# Altium PCB PCB1.PcbDoc (part 2 of 2) (continued)
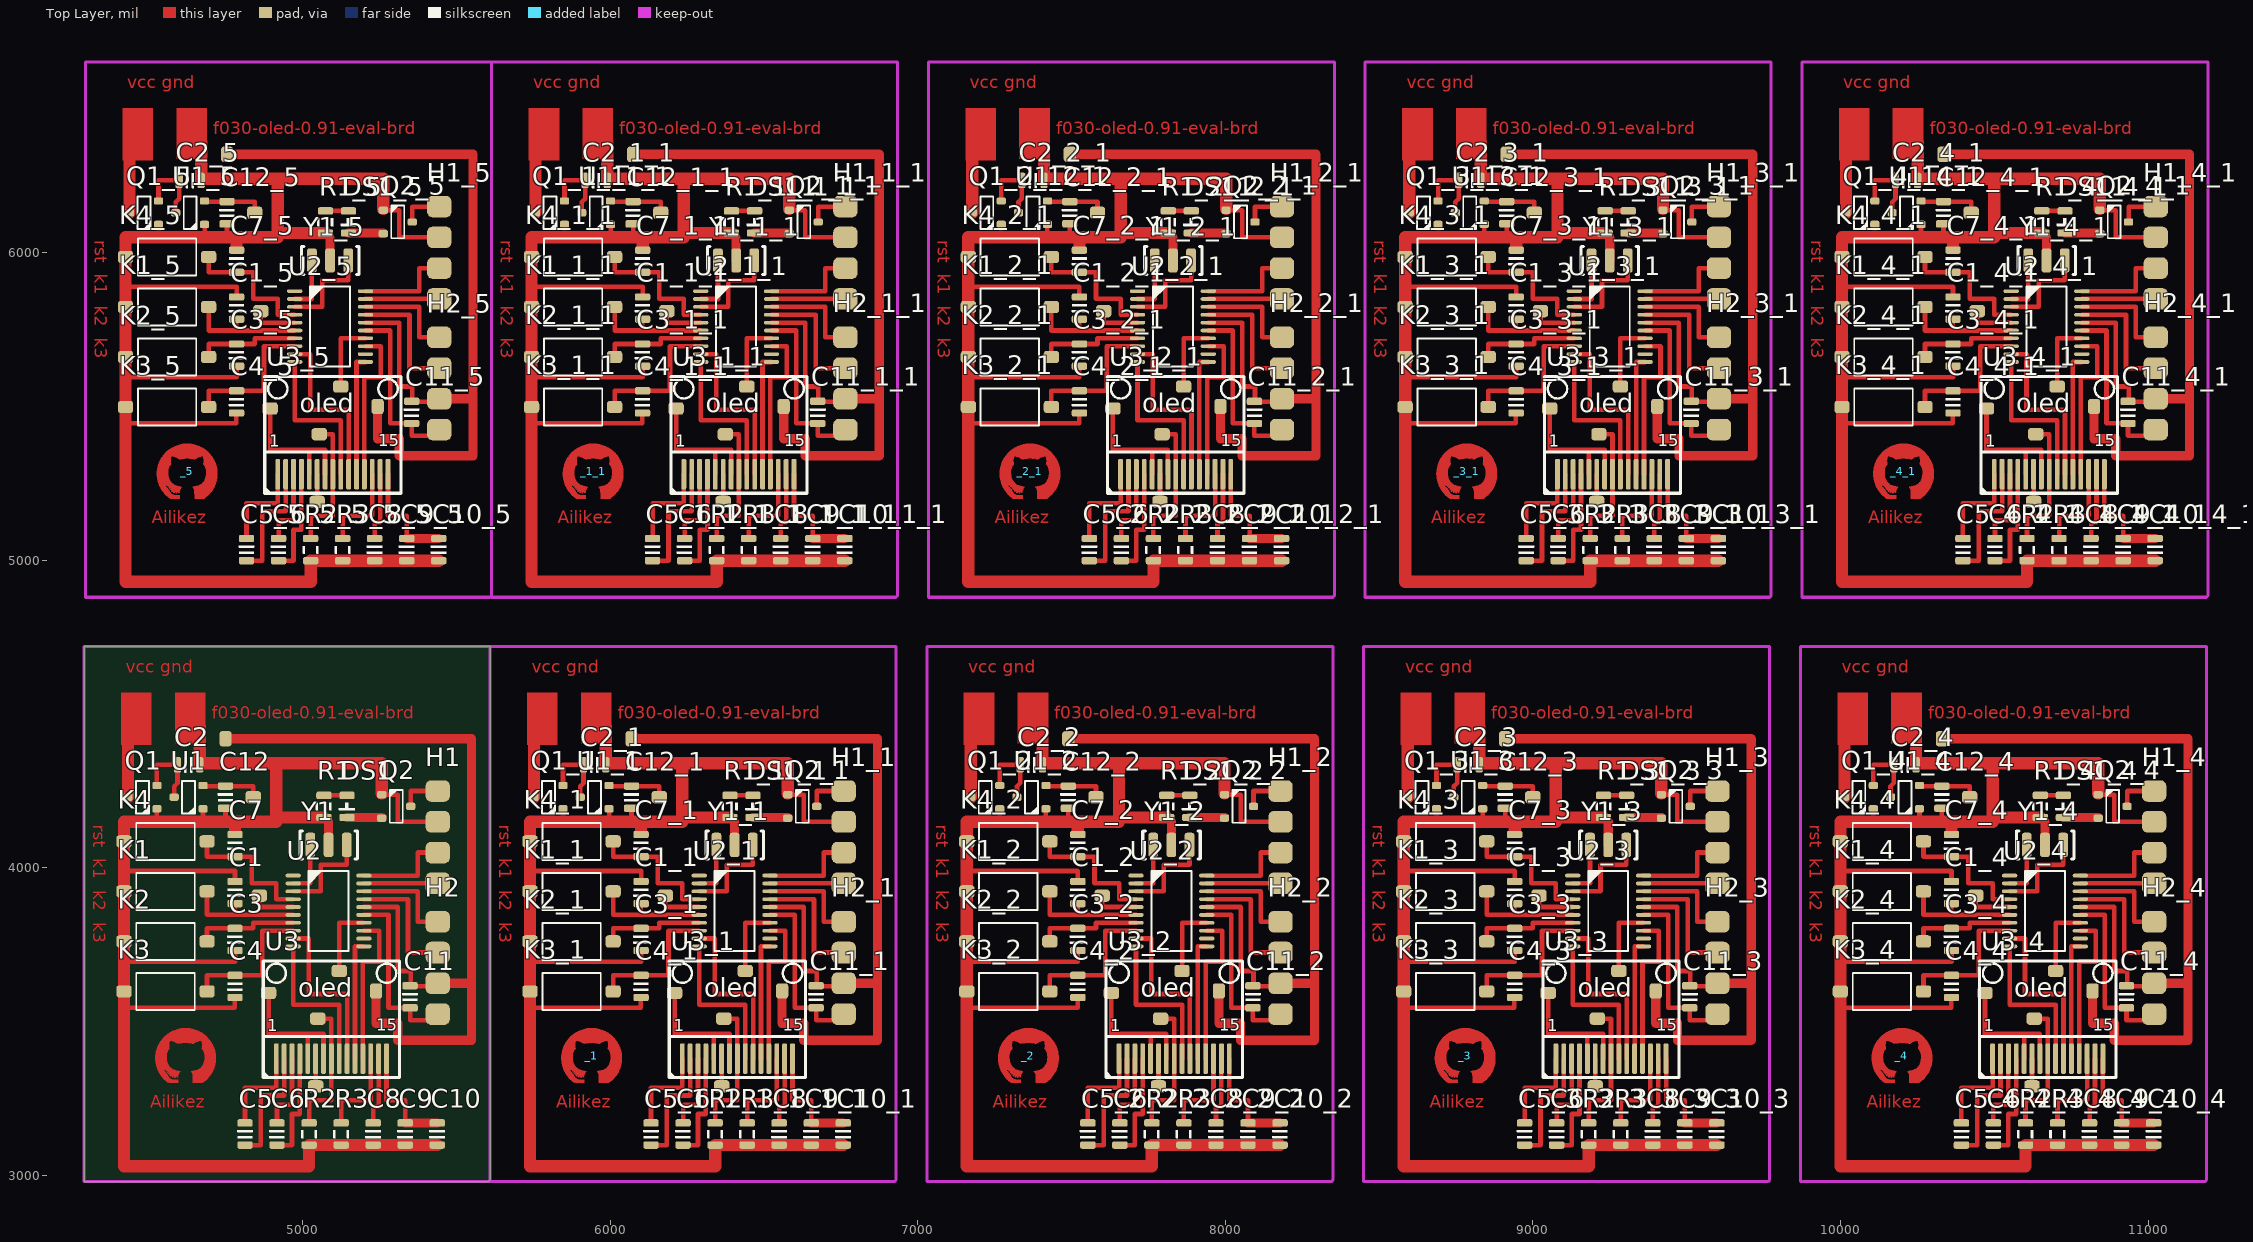
[diagram p0: Top Layer view]
## Nets (pads, with @x,y where several pads share a name; then routed paths per layer and width w, separated by ;. In a path a pad name is that pad's centre, name@x,y a point inside that pad or via, vN(x,y) a via of type N, cw(c..) or ccw(c..) an arc to the next point about the centre after c; other vN are vias at no path point) (continued)
oled_res: U2.10 U2_1.10 U2_2.10 U2_3.10 U2_4.10 U3.9 U3_1.9 U3_2.9 U3_3.9 U3_4.9 | length 2562.8
  Top Layer w15: U2.10@4970,3742.84 4970,3555 5119.72,3555 U3.9@5119.72,3380 ; U2_1.10@6290,3742.84 6290,3555 6439.72,3555 U3_1.9@6439.72,3380 ; U2_2.10@7710,3742.84 7710,3555 7859.72,3555 U3_2.9@7859.72,3380 ; U2_3.10@9130,3742.84 9130,3555 9279.72,3555 U3_3.9@9279.72,3380 ; U2_4.10@10550,3742.84 10550,3555 10699.72,3555 U3_4.9@10699.72,3380
spi_miso: U2.12 U2_1.12 U2_2.12 U2_3.12 U2_4.12
spi_mosi: U2.13 U2_1.13 U2_2.13 U2_3.13 U2_4.13 U3.12 U3_1.12 U3_2.12 U3_3.12 U3_4.12 | length 2597.6
  Top Layer w15: U3.12@5196.5,3380 5196.5,3695 5250,3695 5250,3796.02 U2.13@5200,3796.02 ; U3_1.12@6516.5,3380 6516.5,3695 6570,3695 6570,3796.02 U2_1.13@6520,3796.02 ; U3_2.12@7936.5,3380 7936.5,3695 7990,3695 7990,3796.02 U2_2.13@7940,3796.02 ; U3_3.12@9356.5,3380 9356.5,3695 9410,3695 9410,3796.02 U2_3.13@9360,3796.02 ; U3_4.12@10776.5,3380 10776.5,3695 10830,3695 10830,3796.02 U2_4.13@10780,3796.02
spi_sck: U2.11 U2_1.11 U2_2.11 U2_3.11 U2_4.11 U3.11 U3_1.11 U3_2.11 U3_3.11 U3_4.11 | length 1969.7
  Top Layer w15: U3.11@5170.91,3380 5170.91,3744.84 U2.11@5200,3744.84 ; U3_1.11@6490.91,3380 6490.91,3744.84 U2_1.11@6520,3744.84 ; U3_2.11@7910.91,3380 7910.91,3744.84 U2_2.11@7940,3744.84 ; U3_3.11@9330.91,3380 9330.91,3744.84 U2_3.11@9360,3744.84 ; U3_4.11@10750.91,3380 10750.91,3744.84 U2_4.11@10780,3744.84
swclk: H1.2 H1_1.2 H1_2.2 H1_3.2 H1_4.2 U2.20 U2_1.20 U2_2.20 U2_3.20 U2_4.20 | length 1574.2
  Top Layer w15: U2.20@5200,3975.16 5375,3975.16 5375,4050 H1.2@5440,4050 ; U2_1.20@6520,3975.16 6695,3975.16 6695,4050 H1_1.2@6760,4050 ; U2_2.20@7940,3975.16 8115,3975.16 8115,4050 H1_2.2@8180,4050 ; U2_3.20@9360,3975.16 9535,3975.16 9535,4050 H1_3.2@9600,4050 ; U2_4.20@10780,3975.16 10955,3975.16 10955,4050 H1_4.2@11020,4050
swdio: H1.1 H1_1.1 H1_2.1 H1_3.1 H1_4.1 U2.19 U2_1.19 U2_2.19 U2_3.19 U2_4.19 | length 1202.2
  Top Layer w10: U2.19@5200,3949.57 U2.19@5200,3950 ; U2_1.19@6520,3949.57 U2_1.19@6520,3950 ; U2_2.19@7940,3949.57 U2_2.19@7940,3950 ; U2_3.19@9360,3949.57 U2_3.19@9360,3950 ; U2_4.19@10780,3949.57 U2_4.19@10780,3950
  Top Layer w15: U2.19@5200,3950 H1.1@5440,3950 ; U2_1.19@6520,3950 H1_1.1@6760,3950 ; U2_2.19@7940,3950 H1_2.1@8180,3950 ; U2_3.19@9360,3950 H1_3.1@9600,3950 ; U2_4.19@10780,3950 H1_4.1@11020,3950
uart1_rx: H2.1 H2_1.1 H2_2.1 H2_3.1 H2_4.1 U2.18 U2_1.18 U2_2.18 U2_3.18 U2_4.18 | length 1694.9
  Top Layer w15: U2.18@5200,3923.98 5375,3923.98 5375,3825 H2.1@5440,3825 ; U2_1.18@6520,3923.98 6695,3923.98 6695,3825 H2_1.1@6760,3825 ; U2_2.18@7940,3923.98 8115,3923.98 8115,3825 H2_2.1@8180,3825 ; U2_3.18@9360,3923.98 9535,3923.98 9535,3825 H2_3.1@9600,3825 ; U2_4.18@10780,3923.98 10955,3923.98 10955,3825 H2_4.1@11020,3825
uart1_tx: H2.2 H2_1.2 H2_2.2 H2_3.2 H2_4.2 U2.17 U2_1.17 U2_2.17 U2_3.17 U2_4.17 | length 2066.9
  Top Layer w15: U2.17@5200,3898.39 5343.33,3898.39 5343.33,3725 H2.2@5440,3725 ; U2_1.17@6520,3898.39 6663.33,3898.39 6663.33,3725 H2_1.2@6760,3725 ; U2_2.17@7940,3898.39 8083.33,3898.39 8083.33,3725 H2_2.2@8180,3725 ; U2_3.17@9360,3898.39 9503.33,3898.39 9503.33,3725 H2_3.2@9600,3725 ; U2_4.17@10780,3898.39 10923.33,3898.39 10923.33,3725 H2_4.2@11020,3725
VCC: Q1.3 Q1_1.3 Q1_2.3 Q1_3.3 Q1_4.3 | length 1175
  Top Layer w40: Q1.3@4433,4230 4433,4465 ; Q1_1.3@5753,4230 5753,4465 ; Q1_2.3@7173,4230 7173,4465 ; Q1_3.3@8593,4230 8593,4465 ; Q1_4.3@10013,4230 10013,4465
pads on no net: C1_1_1.1 C1_1_1.2 C1_2_1.1 C1_2_1.2 C1_3_1.1 C1_3_1.2 C1_4_1.1 C1_4_1.2 C1_5.1 C1_5.2 C2_1_1.1 C2_1_1.2 C2_2_1.1 C2_2_1.2 C2_3_1.1 C2_3_1.2 C2_4_1.1 C2_4_1.2 C2_5.1 C2_5.2 C3_1_1.1 C3_1_1.2 C3_2_1.1 C3_2_1.2 C3_3_1.1 C3_3_1.2 C3_4_1.1 C3_4_1.2 C3_5.1 C3_5.2 C4_1_1.1 C4_1_1.2 C4_2_1.1 C4_2_1.2 C4_3_1.1 C4_3_1.2 C4_4_1.1 C4_4_1.2 C4_5.1 C4_5.2 C5_1_1.1 C5_1_1.2 C5_2_1.1 C5_2_1.2 C5_3_1.1 C5_3_1.2 C5_4_1.1 C5_4_1.2 C5_5.1 C5_5.2 C6_1_1.1 C6_1_1.2 C6_2_1.1 C6_2_1.2 C6_3_1.1 C6_3_1.2 C6_4_1.1 C6_4_1.2 C6_5.1 C6_5.2 C7_1_1.1 C7_1_1.2 C7_2_1.1 C7_2_1.2 C7_3_1.1 C7_3_1.2 C7_4_1.1 C7_4_1.2 C7_5.1 C7_5.2 C8_1_1.1 C8_1_1.2 C8_2_1.1 C8_2_1.2 C8_3_1.1 C8_3_1.2 C8_4_1.1 C8_4_1.2 C8_5.1 C8_5.2 C9_1_1.1 C9_1_1.2 C9_2_1.1 C9_2_1.2 C9_3_1.1 C9_3_1.2 C9_4_1.1 C9_4_1.2 C9_5.1 C9_5.2 C10_1_1.1 C10_1_1.2 C10_2_1.1 C10_2_1.2 C10_3_1.1 C10_3_1.2 C10_4_1.1 C10_4_1.2 C10_5.1 C10_5.2 C11_1_1.1 C11_1_1.2 C11_2_1.1 C11_2_1.2 C11_3_1.1 C11_3_1.2 C11_4_1.1 C11_4_1.2 C11_5.1 C11_5.2 C12_1_1.1 C12_1_1.2 C12_2_1.1 C12_2_1.2 C12_3_1.1 C12_3_1.2 C12_4_1.1 C12_4_1.2 C12_5.1 C12_5.2 DS1_1_1.1 DS1_1_1.2 DS1_2_1.1 DS1_2_1.2 DS1_3_1.1 DS1_3_1.2 DS1_4_1.1 DS1_4_1.2 DS1_5.1 DS1_5.2 H1_1_1.1 H1_1_1.2 H1_1_1.3 H1_1_1.4 H1_2_1.1 H1_2_1.2 H1_2_1.3 H1_2_1.4 H1_3_1.1 H1_3_1.2 H1_3_1.3 H1_3_1.4 H1_4_1.1 H1_4_1.2 H1_4_1.3 H1_4_1.4 H1_5.1 H1_5.2 H1_5.3 H1_5.4 H2_1_1.1 H2_1_1.2 H2_1_1.3 H2_1_1.4 H2_2_1.1 H2_2_1.2 H2_2_1.3 H2_2_1.4 H2_3_1.1 H2_3_1.2 H2_3_1.3 H2_3_1.4 H2_4_1.1 H2_4_1.2 H2_4_1.3 H2_4_1.4 H2_5.1 H2_5.2 H2_5.3 H2_5.4 K1_1_1.1 K1_1_1.2 K1_2_1.1 K1_2_1.2 K1_3_1.1 K1_3_1.2 K1_4_1.1 K1_4_1.2 K1_5.1 K1_5.2 K2_1_1.1 K2_1_1.2 K2_2_1.1 K2_2_1.2 K2_3_1.1 K2_3_1.2 K2_4_1.1 K2_4_1.2 K2_5.1 K2_5.2 K3_1_1.1 K3_1_1.2 K3_2_1.1 K3_2_1.2 K3_3_1.1 K3_3_1.2 K3_4_1.1 K3_4_1.2 K3_5.1 K3_5.2 K4_1_1.1 K4_1_1.2 K4_2_1.1 K4_2_1.2 K4_3_1.1 K4_3_1.2 K4_4_1.1 K4_4_1.2 K4_5.1 K4_5.2 Q1_1_1.1 Q1_1_1.2 Q1_1_1.3 Q1_2_1.1 Q1_2_1.2 Q1_2_1.3 Q1_3_1.1 Q1_3_1.2 Q1_3_1.3 Q1_4_1.1 Q1_4_1.2 Q1_4_1.3 Q1_5.1 Q1_5.2 Q1_5.3 Q2_1_1.1 Q2_1_1.2 Q2_1_1.3 Q2_2_1.1 Q2_2_1.2 Q2_2_1.3 Q2_3_1.1 Q2_3_1.2 Q2_3_1.3 Q2_4_1.1 Q2_4_1.2 Q2_4_1.3 Q2_5.1 Q2_5.2 Q2_5.3 R1_1_1.1 R1_1_1.2 R1_2_1.1 R1_2_1.2 R1_3_1.1 R1_3_1.2 R1_4_1.1 R1_4_1.2 R1_5.1 R1_5.2 R2_1_1.1 R2_1_1.2 R2_2_1.1 R2_2_1.2 R2_3_1.1 R2_3_1.2 R2_4_1.1 R2_4_1.2 R2_5.1 R2_5.2 R3_1_1.1 R3_1_1.2 R3_2_1.1 R3_2_1.2 R3_3_1.1 R3_3_1.2 R3_4_1.1 R3_4_1.2 R3_5.1 R3_5.2 U1_1_1.1 U1_1_1.2 U1_1_1.3 U1_2_1.1 U1_2_1.2 U1_2_1.3 U1_3_1.1 U1_3_1.2 U1_3_1.3 U1_4_1.1 U1_4_1.2 U1_4_1.3 U1_5.1 U1_5.2 U1_5.3 U2_1_1.1 U2_1_1.2 U2_1_1.3 U2_1_1.4 U2_1_1.5 U2_1_1.6 U2_1_1.7 U2_1_1.8 U2_1_1.9 U2_1_1.10 U2_1_1.11 U2_1_1.12 U2_1_1.13 U2_1_1.14 U2_1_1.15 U2_1_1.16 U2_1_1.17 U2_1_1.18 U2_1_1.19 U2_1_1.20 U2_2_1.1 U2_2_1.2 U2_2_1.3 U2_2_1.4 U2_2_1.5 U2_2_1.6 U2_2_1.7 U2_2_1.8 U2_2_1.9 U2_2_1.10 U2_2_1.11 U2_2_1.12 U2_2_1.13 U2_2_1.14 U2_2_1.15 U2_2_1.16 U2_2_1.17 U2_2_1.18 U2_2_1.19 U2_2_1.20 U2_3_1.1 U2_3_1.2 U2_3_1.3 U2_3_1.4 U2_3_1.5 U2_3_1.6 U2_3_1.7 U2_3_1.8 U2_3_1.9 U2_3_1.10 U2_3_1.11 U2_3_1.12 U2_3_1.13 U2_3_1.14 U2_3_1.15 U2_3_1.16 U2_3_1.17 U2_3_1.18 U2_3_1.19 U2_3_1.20 U2_4_1.1 U2_4_1.2 U2_4_1.3 U2_4_1.4 U2_4_1.5 U2_4_1.6 U2_4_1.7 U2_4_1.8 U2_4_1.9 U2_4_1.10 U2_4_1.11 U2_4_1.12 U2_4_1.13 U2_4_1.14 U2_4_1.15 U2_4_1.16 U2_4_1.17 U2_4_1.18 U2_4_1.19 U2_4_1.20 U2_5.1 U2_5.2 U2_5.3 U2_5.4 U2_5.5 U2_5.6 U2_5.7 U2_5.8 U2_5.9 U2_5.10 U2_5.11 U2_5.12 U2_5.13 U2_5.14 U2_5.15 U2_5.16 U2_5.17 U2_5.18 U2_5.19 U2_5.20 U3_1_1.1 U3_1_1.2 U3_1_1.3 U3_1_1.4 U3_1_1.5 U3_1_1.6 U3_1_1.7 U3_1_1.8 U3_1_1.9 U3_1_1.10 U3_1_1.11 U3_1_1.12 U3_1_1.13 U3_1_1.14 U3_1_1.15 U3_2_1.1 U3_2_1.2 U3_2_1.3 U3_2_1.4 U3_2_1.5 U3_2_1.6 U3_2_1.7 U3_2_1.8 U3_2_1.9 U3_2_1.10 U3_2_1.11 U3_2_1.12 U3_2_1.13 U3_2_1.14 U3_2_1.15 U3_3_1.1 U3_3_1.2 U3_3_1.3 U3_3_1.4 U3_3_1.5 U3_3_1.6 U3_3_1.7 U3_3_1.8 U3_3_1.9 U3_3_1.10 U3_3_1.11 U3_3_1.12 U3_3_1.13 U3_3_1.14 U3_3_1.15 U3_4_1.1 U3_4_1.2 U3_4_1.3 U3_4_1.4 U3_4_1.5 U3_4_1.6 U3_4_1.7 U3_4_1.8 U3_4_1.9 U3_4_1.10 U3_4_1.11 U3_4_1.12 U3_4_1.13 U3_4_1.14 U3_4_1.15 U3_5.1 U3_5.2 U3_5.3 U3_5.4 U3_5.5 U3_5.6 U3_5.7 U3_5.8 U3_5.9 U3_5.10 U3_5.11 U3_5.12 U3_5.13 U3_5.14 U3_5.15 Y1_1_1.1 Y1_1_1.2 Y1_1_1.3 Y1_2_1.1 Y1_2_1.2 Y1_2_1.3 Y1_3_1.1 Y1_3_1.2 Y1_3_1.3 Y1_4_1.1 Y1_4_1.2 Y1_4_1.3 Y1_5.1 Y1_5.2 Y1_5.3
copper on no net: | length 95841
  Top Layer w10: 5205,5849.57 5205,5850 ; 6525,5849.57 6525,5850 ; 7945,5849.57 7945,5850 ; 9365,5849.57 9365,5850 ; 10785,5849.57 10785,5850
  Top Layer w15: 4425,5445 4785,5445 4785,5478.86 4786,5478.86 ; 4425,5595 4786,5595 4786,5631.43 ; 4425,5880 4425,5890 4786,5890 4786,5856 ; 4532,6050 4532,6092 ; 4532,6168 4532,6235 4599,6235 4599,6176 4588,6165 4588,6130 ; 4680,6050 4682,6050 4682,6092 ; 4682,6168 4682,6166 4755,6166 4845,6166 4845,6145 ; 4695,5498.57 4695,5550.86 4786,5550.86 4875,5550.86 4875,5696.02 4975,5696.02 ; 4695,5661.14 4695,5703.43 4786,5703.43 4845,5703.43 4845,5721.61 4975,5721.61 ; 4695,5823.71 4695,5747.2 4785,5747.2 ; 4695,5986.29 4695,5936.57 4786,5936.57 4840,5936.57 4840,5850 4920,5850 4920,5798.39 4975,5798.39 ; 4755,6050 4755,6094 ; 4786,5784 4785,5784 4785,5747.2 ; 4818.33,4999 4870,4999 4870,5160 4945.59,5160 4945.59,5280 ; 4818.33,5071 4818.33,5185 4920,5185 4920,5280 ; 4865,5810 4865,5772.8 4975,5772.8 ; 4895,5498.57 4895,5493.57 4895,5360 5022.36,5360 ; 4920,6225 4920,6240 ; 4922.5,4999 4971.18,4999 4971.18,5100 4996.77,5100 4996.77,5280 ; 4922.5,5071 4922.5,5130 4971.18,5130 4971.18,5280 ; 4975,5642.84 4975,5455 5124.72,5455 5124.72,5280 ; 4975,5670.43 5025,5670.43 5025,5490 5150.31,5490 5150.31,5280 ; 4975,5747.2 4785,5747.2 ; 4975,5823.98 5065,5823.98 5065,5910 5149.06,5910 5149.06,5975 ; 4975,5849.57 5030.94,5849.57 5030.94,5975 ; 5022.36,5280 5022.36,5360 ; 5026.67,5071 5026.67,5145 5099.13,5145 5099.13,5280 5099.13,5410 5055,5410 5040,5410 ; 5047.95,5185 5047.95,5280 ; 5073.54,5280 5073.54,5360 5022.36,5360 ; 5075,6064 5090,6064 ; 5075,6136 5150,6136 ; 5124.72,5570 5124.72,5721.61 5205,5721.61 ; 5130.83,5071 5130.83,5145 5227.09,5145 5227.09,5280 ; 5175.91,5280 5175.91,5644.84 5205,5644.84 ; 5201.5,5280 5201.5,5595 5255,5595 5255,5696.02 5205,5696.02 ; 5205,5747.2 5285,5747.2 5285,5445 5355,5445 5355,5405 5445,5405 5445,5425 ; 5205,5772.8 5315,5772.8 5315,5565 5357,5565 5357,5515 ; 5205,5798.39 5348.33,5798.39 5348.33,5625 5445,5625 ; 5205,5823.98 5380,5823.98 5380,5725 5445,5725 ; 5205,5850 5445,5850 ; 5205,5875.16 5380,5875.16 5380,5950 5445,5950 ; 5235,5071 5235,5124 5252.68,5124 5252.68,5280 ; 5263,6062 5263,6064 ; 5263,6138 5315,6138 5315,6050 5445,6050 ; 5278.27,5280 5278.27,5145 5339.17,5145 5339.17,5071 ; 5355,5517 5355,5525 5356.54,5517.31 5357,5515 ; 5357,6100 5357,6150 5445,6150 ; 5445,5515 5357,5515 ; 5745,5445 6105,5445 6105,5478.86 6106,5478.86 ; 5745,5595 6106,5595 6106,5631.43 ; 5745,5880 5745,5890 6106,5890 6106,5856 ; 5852,6050 5852,6092 ; 5852,6168 5852,6235 5919,6235 5919,6176 5908,6165 5908,6130 ; 6000,6050 6002,6050 6002,6092 ; 6002,6168 6002,6166 6075,6166 6165,6166 6165,6145 ; 6015,5498.57 6015,5550.86 6106,5550.86 6195,5550.86 6195,5696.02 6295,5696.02 ; 6015,5661.14 6015,5703.43 6106,5703.43 6165,5703.43 6165,5721.61 6295,5721.61 ; 6015,5823.71 6015,5747.2 6105,5747.2 ; 6015,5986.29 6015,5936.57 6106,5936.57 6160,5936.57 6160,5850 6240,5850 6240,5798.39 6295,5798.39 ; 6075,6050 6075,6094 ; 6106,5784 6105,5784 6105,5747.2 ; 6138.33,4999 6190,4999 6190,5160 6265.59,5160 6265.59,5280 ; 6138.33,5071 6138.33,5185 6240,5185 6240,5280 ; 6185,5810 6185,5772.8 6295,5772.8 ; 6215,5498.57 6215,5493.57 6215,5360 6342.36,5360 ; 6240,6225 6240,6240 ; 6242.5,4999 6291.18,4999 6291.18,5100 6316.77,5100 6316.77,5280 ; 6242.5,5071 6242.5,5130 6291.18,5130 6291.18,5280 ; 6295,5642.84 6295,5455 6444.72,5455 6444.72,5280 ; 6295,5670.43 6345,5670.43 6345,5490 6470.31,5490 6470.31,5280 ; 6295,5747.2 6105,5747.2 ; 6295,5823.98 6385,5823.98 6385,5910 6469.06,5910 6469.06,5975 ; 6295,5849.57 6350.94,5849.57 6350.94,5975 ; 6342.36,5280 6342.36,5360 ; 6346.67,5071 6346.67,5145 6419.13,5145 6419.13,5280 6419.13,5410 6375,5410 6360,5410 ; 6367.95,5185 6367.95,5280 ; 6393.54,5280 6393.54,5360 6342.36,5360 ; 6395,6064 6410,6064 ; 6395,6136 6470,6136 ; 6444.72,5570 6444.72,5721.61 6525,5721.61 ; 6450.83,5071 6450.83,5145 6547.09,5145 6547.09,5280 ; 6495.91,5280 6495.91,5644.84 6525,5644.84 ; 6521.5,5280 6521.5,5595 6575,5595 6575,5696.02 6525,5696.02 ; 6525,5747.2 6605,5747.2 6605,5445 6675,5445 6675,5405 6765,5405 6765,5425 ; 6525,5772.8 6635,5772.8 6635,5565 6677,5565 6677,5515 ; 6525,5798.39 6668.33,5798.39 6668.33,5625 6765,5625 ; 6525,5823.98 6700,5823.98 6700,5725 6765,5725 ; 6525,5850 6765,5850 ; 6525,5875.16 6700,5875.16 6700,5950 6765,5950 ; 6555,5071 6555,5124 6572.68,5124 6572.68,5280 ; 6583,6062 6583,6064 ; 6583,6138 6635,6138 6635,6050 6765,6050 ; 6598.27,5280 6598.27,5145 6659.17,5145 6659.17,5071 ; 6675,5517 6675,5525 6676.54,5517.31 6677,5515 ; 6677,6100 6677,6150 6765,6150 ; 6765,5515 6677,5515 ; 7165,5445 7525,5445 7525,5478.86 7526,5478.86 ; 7165,5595 7526,5595 7526,5631.43 ; 7165,5880 7165,5890 7526,5890 7526,5856 ; 7272,6050 7272,6092 ; 7272,6168 7272,6235 7339,6235 7339,6176 7328,6165 7328,6130 ; 7420,6050 7422,6050 7422,6092 ; 7422,6168 7422,6166 7495,6166 7585,6166 7585,6145 ; 7435,5498.57 7435,5550.86 7526,5550.86 7615,5550.86 7615,5696.02 7715,5696.02 ; 7435,5661.14 7435,5703.43 7526,5703.43 7585,5703.43 7585,5721.61 7715,5721.61 ; 7435,5823.71 7435,5747.2 7525,5747.2 ; 7435,5986.29 7435,5936.57 7526,5936.57 7580,5936.57 7580,5850 7660,5850 7660,5798.39 7715,5798.39 ; 7495,6050 7495,6094 ; 7526,5784 7525,5784 7525,5747.2 ; 7558.33,4999 7610,4999 7610,5160 7685.59,5160 7685.59,5280 ; 7558.33,5071 7558.33,5185 7660,5185 7660,5280 ; 7605,5810 7605,5772.8 7715,5772.8 ; 7635,5498.57 7635,5493.57 7635,5360 7762.36,5360 ; 7660,6225 7660,6240 ; 7662.5,4999 7711.18,4999 7711.18,5100 7736.77,5100 7736.77,5280 ; 7662.5,5071 7662.5,5130 7711.18,5130 7711.18,5280 ; 7715,5642.84 7715,5455 7864.72,5455 7864.72,5280 ; 7715,5670.43 7765,5670.43 7765,5490 7890.31,5490 7890.31,5280 ; 7715,5747.2 7525,5747.2 ; 7715,5823.98 7805,5823.98 7805,5910 7889.06,5910 7889.06,5975 ; 7715,5849.57 7770.94,5849.57 7770.94,5975 ; 7762.36,5280 7762.36,5360 ; 7766.67,5071 7766.67,5145 7839.13,5145 7839.13,5280 7839.13,5410 7795,5410 7780,5410 ; 7787.95,5185 7787.95,5280 ; 7813.54,5280 7813.54,5360 7762.36,5360 ; 7815,6064 7830,6064 ; 7815,6136 7890,6136 ; 7864.72,5570 7864.72,5721.61 7945,5721.61 ; 7870.83,5071 7870.83,5145 7967.09,5145 7967.09,5280 ; 7915.91,5280 7915.91,5644.84 7945,5644.84 ; 7941.5,5280 7941.5,5595 7995,5595 7995,5696.02 7945,5696.02 ; 7945,5747.2 8025,5747.2 8025,5445 8095,5445 8095,5405 8185,5405 8185,5425 ; 7945,5772.8 8055,5772.8 8055,5565 8097,5565 8097,5515 ; 7945,5798.39 8088.33,5798.39 8088.33,5625 8185,5625 ; 7945,5823.98 8120,5823.98 8120,5725 8185,5725 ; 7945,5850 8185,5850 ; 7945,5875.16 8120,5875.16 8120,5950 8185,5950 ; 7975,5071 7975,5124 7992.68,5124 7992.68,5280 ; 8003,6062 8003,6064 ; 8003,6138 8055,6138 8055,6050 8185,6050 ; 8018.27,5280 8018.27,5145 8079.17,5145 8079.17,5071 ; 8095,5517 8095,5525 8096.54,5517.31 8097,5515 ; 8097,6100 8097,6150 8185,6150 ; 8185,5515 8097,5515 ; 8585,5445 8945,5445 8945,5478.86 8946,5478.86 ; 8585,5595 8946,5595 8946,5631.43 ; 8585,5880 8585,5890 8946,5890 8946,5856 ; 8692,6050 8692,6092 ; 8692,6168 8692,6235 8759,6235 8759,6176 8748,6165 8748,6130 ; 8840,6050 8842,6050 8842,6092 ; 8842,6168 8842,6166 8915,6166 9005,6166 9005,6145 ; 8855,5498.57 8855,5550.86 8946,5550.86 9035,5550.86 9035,5696.02 9135,5696.02 ; 8855,5661.14 8855,5703.43 8946,5703.43 9005,5703.43 9005,5721.61 9135,5721.61 ; 8855,5823.71 8855,5747.2 8945,5747.2 ; 8855,5986.29 8855,5936.57 8946,5936.57 9000,5936.57 9000,5850 9080,5850 9080,5798.39 9135,5798.39 ; 8915,6050 8915,6094 ; 8946,5784 8945,5784 8945,5747.2 ; 8978.33,4999 9030,4999 9030,5160 9105.59,5160 9105.59,5280 ; 8978.33,5071 8978.33,5185 9080,5185 9080,5280 ; 9025,5810 9025,5772.8 9135,5772.8 ; 9055,5498.57 9055,5493.57 9055,5360 9182.36,5360 ; 9080,6225 9080,6240 ; 9082.5,4999 9131.18,4999 9131.18,5100 9156.77,5100 9156.77,5280 ; 9082.5,5071 9082.5,5130 9131.18,5130 9131.18,5280 ; 9135,5642.84 9135,5455 9284.72,5455 9284.72,5280 ; 9135,5670.43 9185,5670.43 9185,5490 9310.32,5490 9310.32,5280 ; 9135,5747.2 8945,5747.2 ; 9135,5823.98 9225,5823.98 9225,5910 9309.06,5910 9309.06,5975 ; 9135,5849.57 9190.94,5849.57 9190.94,5975 ; 9182.36,5280 9182.36,5360 ; 9186.67,5071 9186.67,5145 9259.13,5145 9259.13,5280 9259.13,5410 9215,5410 9200,5410 ; 9207.95,5185 9207.95,5280 ; 9233.54,5280 9233.54,5360 9182.36,5360 ; 9235,6064 9250,6064 ; 9235,6136 9310,6136 ; 9284.72,5570 9284.72,5721.61 9365,5721.61 ; 9290.83,5071 9290.83,5145 9387.09,5145 9387.09,5280 ; 9335.91,5280 9335.91,5644.84 9365,5644.84 ; 9361.5,5280 9361.5,5595 9415,5595 9415,5696.02 9365,5696.02 ; 9365,5747.2 9445,5747.2 9445,5445 9515,5445 9515,5405 9605,5405 9605,5425 ; 9365,5772.8 9475,5772.8 9475,5565 9517,5565 9517,5515 ; 9365,5798.39 9508.33,5798.39 9508.33,5625 9605,5625 ; 9365,5823.98 9540,5823.98 9540,5725 9605,5725 ; 9365,5850 9605,5850 ; 9365,5875.16 9540,5875.16 9540,5950 9605,5950 ; 9395,5071 9395,5124 9412.68,5124 9412.68,5280 ; 9423,6062 9423,6064 ; 9423,6138 9475,6138 9475,6050 9605,6050 ; 9438.27,5280 9438.27,5145 9499.17,5145 9499.17,5071 ; 9515,5517 9515,5525 9516.54,5517.31 9517,5515 ; 9517,6100 9517,6150 9605,6150 ; 9605,5515 9517,5515 ; 10005,5445 10365,5445 10365,5478.86 10366,5478.86 ; 10005,5595 10366,5595 10366,5631.43 ; 10005,5880 10005,5890 10366,5890 10366,5856 ; 10112,6050 10112,6092 ; 10112,6168 10112,6235 10179,6235 10179,6176 10168,6165 10168,6130 ; 10260,6050 10262,6050 10262,6092 ; 10262,6168 10262,6166 10335,6166 10425,6166 10425,6145 ; 10275,5498.57 10275,5550.86 10366,5550.86 10455,5550.86 10455,5696.02 10555,5696.02 ; 10275,5661.14 10275,5703.43 10366,5703.43 10425,5703.43 10425,5721.61 10555,5721.61 ; 10275,5823.71 10275,5747.2 10365,5747.2 ; 10275,5986.29 10275,5936.57 10366,5936.57 10420,5936.57 10420,5850 10500,5850 10500,5798.39 10555,5798.39 ; 10335,6050 10335,6094 ; 10366,5784 10365,5784 10365,5747.2 ; 10398.33,4999 10450,4999 10450,5160 10525.59,5160 10525.59,5280 ; 10398.33,5071 10398.33,5185 10500,5185 10500,5280 ; 10445,5810 10445,5772.8 10555,5772.8 ; 10475,5498.57 10475,5493.57 10475,5360 10602.36,5360 ; 10500,6225 10500,6240 ; 10502.5,4999 10551.18,4999 10551.18,5100 10576.77,5100 10576.77,5280 ; 10502.5,5071 10502.5,5130 10551.18,5130 10551.18,5280 ; 10555,5642.84 10555,5455 10704.72,5455 10704.72,5280 ; 10555,5670.43 10605,5670.43 10605,5490 10730.32,5490 10730.32,5280 ; 10555,5747.2 10365,5747.2 ; 10555,5823.98 10645,5823.98 10645,5910 10729.06,5910 10729.06,5975 ; 10555,5849.57 10610.94,5849.57 10610.94,5975 ; 10602.36,5280 10602.36,5360 ; 10606.67,5071 10606.67,5145 10679.13,5145 10679.13,5280 10679.13,5410 10635,5410 10620,5410 ; 10627.95,5185 10627.95,5280 ; 10653.54,5280 10653.54,5360 10602.36,5360 ; 10655,6064 10670,6064 ; 10655,6136 10730,6136 ; 10704.72,5570 10704.72,5721.61 10785,5721.61 ; 10710.83,5071 10710.83,5145 10807.09,5145 10807.09,5280 ; 10755.91,5280 10755.91,5644.84 10785,5644.84 ; 10781.5,5280 10781.5,5595 10835,5595 10835,5696.02 10785,5696.02 ; 10785,5747.2 10865,5747.2 10865,5445 10935,5445 10935,5405 11025,5405 11025,5425 ; 10785,5772.8 10895,5772.8 10895,5565 10937,5565 10937,5515 ; 10785,5798.39 10928.33,5798.39 10928.33,5625 11025,5625 ; 10785,5823.98 10960,5823.98 10960,5725 11025,5725 ; 10785,5850 11025,5850 ; 10785,5875.16 10960,5875.16 10960,5950 11025,5950 ; 10815,5071 10815,5124 10832.68,5124 10832.68,5280 ; 10843,6062 10843,6064 ; 10843,6138 10895,6138 10895,6050 11025,6050 ; 10858.27,5280 10858.27,5145 10919.17,5145 10919.17,5071 ; 10935,5517 10935,5525 10936.54,5517.31 10937,5515 ; 10937,6100 10937,6150 11025,6150 ; 11025,5515 10937,5515
  Top Layer w30: 4755,6320 5555,6320 5555,5525 ; 5090,5975 5090,6049 ; 5150,6064 5263,6064 ; 5244.57,5500 5244.57,5395 5315,5395 5315,5340 5555,5340 5555,5525 ; 5339.17,5071 5443.33,5071 ; 5445,5525 5555,5525 ; 6075,6320 6875,6320 6875,5525 ; 6410,5975 6410,6049 ; 6470,6064 6583,6064 ; 6564.57,5500 6564.57,5395 6635,5395 6635,5340 6875,5340 6875,5525 ; 6659.17,5071 6763.33,5071 ; 6765,5525 6875,5525 ; 7495,6320 8295,6320 8295,5525 ; 7830,5975 7830,6049 ; 7890,6064 8003,6064 ; 7984.57,5500 7984.57,5395 8055,5395 8055,5340 8295,5340 8295,5525 ; 8079.17,5071 8183.33,5071 ; 8185,5525 8295,5525 ; 8915,6320 9715,6320 9715,5525 ; 9250,5975 9250,6049 ; 9310,6064 9423,6064 ; 9404.57,5500 9404.57,5395 9475,5395 9475,5340 9715,5340 9715,5525 ; 9499.17,5071 9603.33,5071 ; 9605,5525 9715,5525 ; 10335,6320 11135,6320 11135,5525 ; 10670,5975 10670,6049 ; 10730,6064 10843,6064 ; 10824.57,5500 10824.57,5395 10895,5395 10895,5340 11135,5340 11135,5525 ; 10919.17,5071 11023.33,5071 ; 11025,5525 11135,5525
  Top Layer w40: 4425,5880 4425,5823.71 4425,5661.14 4425,5595 4425,5498.57 4425,5445 4425,4930 5026.67,4930 5026.67,4999 5130.83,4999 5235,4999 5339.17,4999 5443.33,4999 ; 4425,5890 4425,5985 ; 4425,5986.29 4425,6050 4532,6050 4680,6050 ; 4438,6130 4438,6365 ; 4671,6235 4671,6360 ; 4682,6050 4755,6050 4786,6050 ; 4685,6240 4920,6240 5263,6240 5263,6142 ; 4786,6020 4786,6050 ; 4920,6225 4920,6064 ; 5075,6064 4920,6064 ; 5745,5880 5745,5823.71 5745,5661.14 5745,5595 5745,5498.57 5745,5445 5745,4930 6346.67,4930 6346.67,4999 6450.83,4999 6555,4999 6659.17,4999 6763.33,4999 ; 5745,5890 5745,5985 ; 5745,5986.29 5745,6050 5852,6050 6000,6050 ; 5758,6130 5758,6365 ; 5991,6235 5991,6360 ; 6002,6050 6075,6050 6106,6050 ; 6005,6240 6240,6240 6583,6240 6583,6142 ; 6106,6020 6106,6050 ; 6240,6225 6240,6064 ; 6395,6064 6240,6064 ; 7165,5880 7165,5823.71 7165,5661.14 7165,5595 7165,5498.57 7165,5445 7165,4930 7766.67,4930 7766.67,4999 7870.83,4999 7975,4999 8079.17,4999 8183.33,4999 ; 7165,5890 7165,5985 ; 7165,5986.29 7165,6050 7272,6050 7420,6050 ; 7178,6130 7178,6365 ; 7411,6235 7411,6360 ; 7422,6050 7495,6050 7526,6050 ; 7425,6240 7660,6240 8003,6240 8003,6142 ; 7526,6020 7526,6050 ; 7660,6225 7660,6064 ; 7815,6064 7660,6064 ; 8585,5880 8585,5823.71 8585,5661.14 8585,5595 8585,5498.57 8585,5445 8585,4930 9186.67,4930 9186.67,4999 9290.83,4999 9395,4999 9499.17,4999 9603.33,4999 ; 8585,5890 8585,5985 ; 8585,5986.29 8585,6050 8692,6050 8840,6050 ; 8598,6130 8598,6365 ; 8831,6235 8831,6360 ; 8842,6050 8915,6050 8946,6050 ; 8845,6240 9080,6240 9423,6240 9423,6142 ; 8946,6020 8946,6050 ; 9080,6225 9080,6064 ; 9235,6064 9080,6064 ; 10005,5880 10005,5823.71 10005,5661.14 10005,5595 10005,5498.57 10005,5445 10005,4930 10606.67,4930 10606.67,4999 10710.83,4999 10815,4999 10919.17,4999 11023.33,4999 ; 10005,5890 10005,5985 ; 10005,5986.29 10005,6050 10112,6050 10260,6050 ; 10018,6130 10018,6365 ; 10251,6235 10251,6360 ; 10262,6050 10335,6050 10366,6050 ; 10265,6240 10500,6240 10843,6240 10843,6142 ; 10366,6020 10366,6050 ; 10500,6225 10500,6064 ; 10655,6064 10500,6064 ; 4786,6050 4920,6050 4920,6064 ; 6106,6050 6240,6050 6240,6064 ; 7526,6050 7660,6050 7660,6064 ; 8946,6050 9080,6050 9080,6064 ; 10366,6050 10500,6050 10500,6064

## Polygon pours and split planes (outlines as drawn)
no net on Top Layer (solid, pour order 18): 4410,6390
no net on Top Layer (solid, pour order 16): 5730,6390
no net on Top Layer (solid, pour order 14): 7150,6390
no net on Top Layer (solid, pour order 12): 8570,6390
no net on Top Layer (solid, pour order 10): 9990,6390
no net on Top Layer (solid, pour order 8): 9985,4490
no net on Top Layer (solid, pour order 6): 8565,4490
no net on Top Layer (solid, pour order 4): 7145,4490
no net on Top Layer (solid, pour order 2): 5725,4490
no net on Top Layer (solid, pour order 0): 4405,4490

## Keep-outs
Keep-Out Layer:
  lines w10: 5610,4720 5610,2980 6925,2980 6930,2985 6930,4720 5610,4720 ; 5610,4720 4290,4720 4290,2980 5605,2980 5610,2985 5610,4720 ; 5615,6620 5615,4885 5610,4880 4295,4880 4295,6620 5615,6620 ; 5615,6620 6935,6620 6935,4885 6930,4880 5615,4880 5615,6620 ; 7030,2980 7030,4720 8350,4720 8350,2985 8345,2980 7030,2980 ; 7035,4880 8350,4880 8355,4885 8355,6620 7035,6620 7035,4880 ; 8450,2980 8450,4720 9770,4720 9770,2985 9765,2980 8450,2980 ; 8455,4880 9770,4880 9775,4885 9775,6620 8455,6620 8455,4880 ; 9870,2980 9870,4720 11190,4720 11190,2985 11185,2980 9870,2980 ; 9875,4880 11190,4880 11195,4885 11195,6620 9875,6620 9875,4880

## Other copper
Top Layer:
  rectangle: 4415,6300 4515,6470
  rectangle: 4590,6305 4690,6470
  rectangle: 5910,6305 6010,6470
  rectangle: 5735,6300 5835,6470
  rectangle: 7330,6305 7430,6470
  rectangle: 7155,6300 7255,6470
  rectangle: 8750,6305 8850,6470
  rectangle: 8575,6300 8675,6470
  rectangle: 10170,6305 10270,6470
  rectangle: 9995,6300 10095,6470
  rectangle net VCC: 9990,4400 10090,4570
  rectangle net GND: 10165,4405 10265,4570
  rectangle net VCC: 8570,4400 8670,4570
  rectangle net GND: 8745,4405 8845,4570
  rectangle net VCC: 7150,4400 7250,4570
  rectangle net GND: 7325,4405 7425,4570
  rectangle net VCC: 5730,4400 5830,4570
  rectangle net GND: 5905,4405 6005,4570
  rectangle net GND: 4585,4405 4685,4570
  rectangle net VCC: 4410,4400 4510,4570
  text "vcc gnd" at 4430,6535 h40
  text "vcc gnd" at 5750,6535 h40
  text "vcc gnd" at 7170,6535 h40
  text "vcc gnd" at 8590,6535 h40
  text "vcc gnd" at 10010,6535 h40
  text "f030-oled-0.91-eval-brd" at 4710,6385 h40
  text "f030-oled-0.91-eval-brd" at 6030,6385 h40
  text "f030-oled-0.91-eval-brd" at 7450,6385 h40
  text "f030-oled-0.91-eval-brd" at 8870,6385 h40
  text "f030-oled-0.91-eval-brd" at 10290,6385 h40
  text "rst  k1  k2  k3" at 4325,6040 h40 r270
  text "rst  k1  k2  k3" at 5645,6040 h40 r270
  text "rst  k1  k2  k3" at 7065,6040 h40 r270
  text "rst  k1  k2  k3" at 8485,6040 h40 r270
  text "rst  k1  k2  k3" at 9905,6040 h40 r270
  text "Ailikez" at 4510,5120 h40
  text "Ailikez" at 5830,5120 h40
  text "Ailikez" at 7250,5120 h40
  text "Ailikez" at 8670,5120 h40
  text "Ailikez" at 10090,5120 h40
  text "vcc gnd" at 4425,4635 h40
  text "vcc gnd" at 5745,4635 h40
  text "vcc gnd" at 7165,4635 h40
  text "vcc gnd" at 8585,4635 h40
  text "vcc gnd" at 10005,4635 h40
  text "f030-oled-0.91-eval-brd" at 4705,4485 h40
  text "f030-oled-0.91-eval-brd" at 6025,4485 h40
  text "f030-oled-0.91-eval-brd" at 7445,4485 h40
  text "f030-oled-0.91-eval-brd" at 8865,4485 h40
  text "f030-oled-0.91-eval-brd" at 10285,4485 h40
  text "rst  k1  k2  k3" at 4320,4140 h40 r270
  text "rst  k1  k2  k3" at 5640,4140 h40 r270
  text "rst  k1  k2  k3" at 7060,4140 h40 r270
  text "rst  k1  k2  k3" at 8480,4140 h40 r270
  text "rst  k1  k2  k3" at 9900,4140 h40 r270
  text "Ailikez" at 4505,3220 h40
  text "Ailikez" at 5825,3220 h40
  text "Ailikez" at 7245,3220 h40
  text "Ailikez" at 8665,3220 h40
  text "Ailikez" at 10085,3220 h40

## Text inside footprints (layer, text, board x,y; h text height)
U3: Top Overlay "oled" at 4985.87,3581.77 h60; Top Overlay "15" at 5240.79,3470.55 h39.37; Top Overlay "1" at 4886.46,3469.57 h39.37
U3_1: Top Overlay "oled" at 6305.87,3581.77 h60; Top Overlay "15" at 6560.79,3470.55 h39.37; Top Overlay "1" at 6206.46,3469.57 h39.37
U3_1_1: Top Overlay "oled" at 6310.87,5481.77 h60; Top Overlay "15" at 6565.79,5370.55 h39.37; Top Overlay "1" at 6211.46,5369.57 h39.37
U3_2: Top Overlay "oled" at 7725.87,3581.77 h60; Top Overlay "15" at 7980.79,3470.55 h39.37; Top Overlay "1" at 7626.46,3469.57 h39.37
U3_2_1: Top Overlay "oled" at 7730.87,5481.77 h60; Top Overlay "15" at 7985.79,5370.55 h39.37; Top Overlay "1" at 7631.46,5369.57 h39.37
U3_3: Top Overlay "oled" at 9145.87,3581.77 h60; Top Overlay "15" at 9400.79,3470.55 h39.37; Top Overlay "1" at 9046.46,3469.57 h39.37
U3_3_1: Top Overlay "oled" at 9150.87,5481.77 h60; Top Overlay "15" at 9405.79,5370.55 h39.37; Top Overlay "1" at 9051.46,5369.57 h39.37
U3_4: Top Overlay "oled" at 10565.87,3581.77 h60; Top Overlay "15" at 10820.79,3470.55 h39.37; Top Overlay "1" at 10466.46,3469.57 h39.37
U3_4_1: Top Overlay "oled" at 10570.87,5481.77 h60; Top Overlay "15" at 10825.79,5370.55 h39.37; Top Overlay "1" at 10471.46,5369.57 h39.37
U3_5: Top Overlay "oled" at 4990.87,5481.77 h60; Top Overlay "15" at 5245.79,5370.55 h39.37; Top Overlay "1" at 4891.46,5369.57 h39.37